# KiCad board st251_20629.kicad_pcb (continued)
## Routing (per net, layer and track width the routed paths; a pad name or vN(x,y) marks a point on that pad's centre or on a via; arc(x,y) is an arc through that point) (continued)
+5F: length 137.5
  Top w0.508: v1(93.85,176.4) v1(93.85,177.67) ; 11F1.16 106.3,193.55 108.52,191.33 C57.1 ; 104.9,171.83 106.17,171.83 v1(106.68,171.32) 106.68,171.2 105.92,170.43 105.92,170.31 105.16,170.31 104.73,170.74 C55.1 104.73,171.66 104.9,171.83
  Bottom w0.508: JP11.1 73.15,156.46 77.72,161.04 77.72,162.81 82.98,168.07 82.98,168.28 84.71,168.28 86.23,169.8 92.33,169.8 93.85,171.32 v1(93.85,176.4) v1(93.85,177.67)
  Bottom w0.762: 134.04,180.85 134.04,181.15 135.51,182.63
  Bottom w1.27: v1(101.35,196.34) 104.78,196.34 105.92,195.2 11F1.16 105.92,195.07 105.79,195.2 107.57,196.98 129.41,196.98 130.56,198.12 133.1,198.12 135.51,195.71 135.51,182.63 ; v1(101.09,193.17) 101.09,182.37 102.11,181.36 v1(102.23,181.36) 102.23,181.23 102.36,181.1 102.36,180.05 103.12,179.29 103.12,174.12 107.06,170.18 107.06,162.29 10F1.16
  vias: v1(101.09,192.02) v1(102.36,196.34)
/Analog/+RD: length 125.7
  Top w0.254: v1(6.48,10.16) 6.22,9.91 J2.17 ; 6A1.25 3.68,119.25 v1(3.43,119)
  Bottom w0.254: v1(3.43,119) 3.05,118.62 3.05,104.78 3.94,103.89 3.94,99.7 7.11,96.52 7.11,60.96 5.84,59.69 5.84,53.59 3.81,51.56 3.81,48.26 4.95,47.12 4.95,39.75 10.92,33.78 10.92,27.05 7.11,23.24 7.11,19.94 6.48,19.3 v1(6.48,10.16)
/Analog/-RD: length 124.9
  Top w0.254: v1(4.06,117.48) 4.57,117.98 6.86,117.98
  Bottom w0.254: J2.18 6.22,8.38 7.75,9.91 7.75,18.16 9.78,20.19 9.78,24.64 11.56,26.42 11.56,34.16 5.59,40.13 5.59,47.62 4.45,48.77 4.45,50.93 6.48,52.96 6.48,59.18 7.75,60.45 7.75,96.9 6.48,98.17 6.48,104.01 5.97,104.52 4.19,104.52 3.68,105.03 3.68,117.09 v1(4.06,117.48)
/Analog/CCOMP: length 40.4
  Top w0.254: v1(129.03,169.29) 129.03,168.34 10J1.14
  Bottom w0.254: v1(129.03,169.29) 129.03,169.04 127.89,167.89 127.89,159.39 127.51,159 127.51,154.81 129.16,153.16 129.16,146.94 129.67,146.43 129.67,142.24 131.06,140.84 131.06,136.4 128.46,133.8 R36.2
/Analog/COILU: length 106.5
  Top w0.254: 4H1.13 v1(111.25,86.11)
  Top w0.508: C39.1 110.93,86.42 v1(111.25,86.11) ; v1(108.71,37.85) 108.71,40.9 C46.1
  Bottom w0.254: 4H1.13 v1(111.25,86.11)
  Bottom w0.508: v1(111.25,86.11) 108.08,86.11 107.57,86.61 102.23,86.61 102.11,86.49 ; 5H1.3 96.27,98.18 96.27,96.65 102.11,90.81 102.11,86.49 ; J4.8 120.52,40.77 117.35,37.59 108.97,37.59 v1(108.71,37.85) 105.79,40.77 105.79,61.47 105.41,61.85 102.87,61.85 102.11,62.61 102.11,86.49
/Analog/COILV: length 104.2
  Top w0.254: 4H1.17 v1(111.25,81.03)
  Top w0.508: v1(111.38,51.44) 111.51,51.31 111.51,49.66 108.38,46.53 C48.1 ; C69.1 109.41,75.44 104.52,75.44 v1(104.27,75.18) ; v1(105.16,83.19) 105.16,89.54 v1(106.04,90.42)
  Bottom w0.254: 4H1.17 v1(111.25,81.03)
  Bottom w0.508: v1(104.27,75.18) 105.54,76.45 105.54,81.03 ; 105.54,81.03 105.54,82.8 v1(105.16,83.19) ; 105.54,81.03 v1(111.25,81.03) ; J4.7 120.52,44.2 113.28,51.44 v1(111.38,51.44) 111.25,51.56 111.25,65.79 112.52,67.06 116.2,67.06 117.22,68.07 117.22,79.14 4H1.17 ; 5H1.7 104.14,100.97 104.14,96.65 106.04,94.74 v1(106.04,90.42)
/Analog/COILW: length 146.4
  Top w0.254: 4H1.15 v1(111.25,83.57) ; 7F1.6 82.3,127.38 v1(81.15,126.24)
  Top w0.508: C59.1 108.78,63.25 v1(112.52,63.25) ; v1(103.63,84.71) 103.63,90.04 v1(103.76,90.17) ; C47.1 108.38,51.74 109.6,52.96 v1(112.52,52.96)
  Bottom w0.254: 96.27,101.35 99.19,101.35 ; 4H1.15 v1(111.25,83.57)
  Bottom w0.508: 99.19,101.35 99.57,100.97 99.57,95.76 103.76,91.57 v1(103.76,90.17) ; 5H1.1 96.27,103.26 96.27,101.35 94.74,101.35 92.71,99.31 90.93,99.31 87.76,102.49 81.66,102.49 80.39,103.76 80.39,108.84 81.15,109.6 81.15,115.82 80.9,116.08 80.9,125.98 v1(81.15,126.24) ; 4H1.15 118.75,80.16 118.75,67.82 116.97,66.04 113.16,66.04 112.52,65.41 v1(112.52,52.96) 113.41,52.96 122.94,43.43 J4.5 ; v1(103.63,84.71) 107.19,84.71 108.33,83.57 v1(111.25,83.57)
/Analog/DRV_SEL: length 60.2
  Top w0.254: v1(71.63,18.8) 70.61,17.78 1E1.8 ; v1(56.13,16) 56.13,15.88 57.66,14.35 68.2,14.35 68.96,13.59 70.87,13.59 71.5,12.95 v1(75.44,12.95) ; 2E1.13 v1(77.09,25.65)
  Bottom w0.254: v1(56.13,16) 54.86,14.73 54.86,13.46 54.61,13.21 49.66,13.21 J7.12 ; R13.1 69.22,14.1 71.63,16.51 71.63,17.02 ; 71.63,17.02 v1(71.63,18.8) ; 71.63,17.02 77.09,17.02 ; v1(75.44,12.95) 77.09,14.61 77.09,17.02 ; v1(77.09,25.65) 77.09,17.02
/Analog/DS1: length 46
  Top w0.254: J7.2 36.96,15.75 46.61,15.75 47.12,15.24 47.12,13.72 48.13,12.7 67.06,12.7 68.07,11.68 69.85,11.68 70.48,11.05 71.75,11.05 v1(72.9,9.91)
  Bottom w0.254: v1(72.9,9.91) J1.26
/Analog/DS2: length 39.1
  Top w0.254: J7.4 39.75,12.95 44.58,12.95 45.34,12.19 66.8,12.19 67.94,11.05 69.34,11.05 70.36,10.03 v1(70.36,9.91)
  Bottom w0.254: v1(70.36,9.91) J1.28
/Analog/DS3: length 37.4
  Top w0.254: v1(39.37,12.19) 39.62,12.45 44.07,12.45 44.83,11.68 66.04,11.68 v1(67.82,9.91)
  Bottom w0.254: v1(67.82,9.91) J1.30 ; v1(39.37,12.19) 40.77,13.59 J7.6
/Analog/DS4: length 30.5
  Top w0.254: v1(65.21,9.97) 64.01,11.18 43.69,11.18 v1(43.31,11.56)
  Bottom w0.254: J7.8 v1(43.31,11.56) ; J1.32 65.28,9.91 v1(65.21,9.97)
/Analog/HDC1: length 52
  Top w0.254: 10E1.9 64.64,155.58 66.55,157.48 66.55,159.64 67.82,160.91 67.82,166.62 69.34,168.15 69.34,171.7 70.58,172.94 v1(70.58,176.8)
  Bottom w0.254: J6.1 94.11,183.22 92.5,181.61 89.28,181.61 87,179.32 71.63,179.32 70.58,178.28 v1(70.58,176.8)
/Analog/HDC2: length 46.7
  Top w0.254: v1(69.6,175.26) 69.98,174.88 69.98,173.36 68.71,172.09 68.71,168.91 67.18,167.39 67.18,161.29 65.91,160.02 65.91,157.99 64.77,156.85 10E1.8
  Bottom w0.254: v1(69.6,175.26) 69.6,178.44 71.12,179.96 85.72,179.96 J6.5
/Analog/HDC3: length 40.5
  Top w0.254: 10E1.7 64.64,158.12 65.28,158.75 65.28,160.27 66.55,161.54 66.55,167.64 68.07,169.16 68.07,173.23 v1(68.58,173.74)
  Bottom w0.254: J6.9 81.41,180.72 70.87,180.72 68.58,178.44 v1(68.58,173.74)
/Analog/HDC4: length 34.5
  Top w0.254: v1(66.8,170.43) 66.8,169.29 65.91,168.4 65.91,161.8 64.78,160.66 64.78,160.06 64.1,159.39 10E1.6
  Bottom w0.254: J6.13 76.96,181.36 70.48,181.36 67.44,178.31 67.44,171.07 v1(66.8,170.43)
/Analog/HDC5: length 28.7
  Top w0.254: 10E1.5 63.86,160.66 65.28,162.08 65.28,171.2 v1(66.17,172.09)
  Bottom w0.254: v1(66.17,172.09) 66.68,172.59 66.68,178.82 69.85,181.99 72.52,181.99 J6.17
/Analog/HDC6: length 23.9
  Top w0.254: v1(65.53,173.61) 64.78,172.85 64.78,162.57 64.13,161.93 10E1.4
  Bottom w0.254: J6.21 66.04,180.59 66.04,174.12 v1(65.53,173.61)
/Analog/HDSEL1: length 185.4
  Top w0.254: v1(68.2,146.69) 67.82,147.07 67.82,154.43 69.09,155.7 69.09,158.88 72.14,161.93 10E1.17
  Bottom w0.254: J1.14 88.14,8.76 86.66,10.24 86.66,24.33 85.6,25.4 85.6,35.43 81.79,39.24 81.79,41.47 70.61,52.64 70.61,55.88 68.96,57.53 65.41,57.53 64.9,58.04 63.25,58.04 62.23,59.06 60.96,59.06 54.1,65.91 54.1,106.93 53.34,107.7 53.34,124.46 57.28,128.4 57.28,138.3 65.53,146.56 68.2,146.56 v1(68.2,146.69)
/Analog/HDSEL2: length 183.8
  Top w0.254: v1(68.71,150.37) 68.71,153.8 69.72,154.81 69.72,158.5 71.88,160.66 10E1.16
  Bottom w0.254: v1(68.71,150.37) 67.56,149.23 65.15,149.23 55.37,139.45 55.37,129.16 50.29,124.08 50.29,119.76 50.93,119.13 50.93,105.92 52.83,104.01 52.83,65.28 60.45,57.66 61.21,57.66 RN1.4 65.28,53.59 67.44,53.59 80.52,40.51 80.52,37.97 84.33,34.16 84.33,24 84.96,23.37 84.96,12.32 83.06,10.41 J1.18
/Analog/HDSEL4: length 190.4
  Top w0.254: 65.53,55.88 66.04,55.88 68.33,53.59 v1(75.69,53.59)
  Bottom w0.254: J1.4 100.84,8.76 101.22,9.14 101.22,21.21 98.68,23.75 98.68,26.92 96.77,28.83 96.77,41.02 89.53,48.26 89.53,49.02 85.34,53.21 76.07,53.21 v1(75.69,53.59) ; JP10.2 69.98,152.85 69.98,149.48 68.96,148.46 65.41,148.46 56.01,139.06 56.01,128.78 51.05,123.83 51.05,120.52 51.56,120.02 51.56,106.43 53.47,104.52 53.47,65.66 60.71,58.42 61.98,58.42 63.25,57.15 64.26,57.15 65.53,55.88
/Analog/HDSEL4B: length 19.2
  Top w0.254: 10E1.15 71.5,159.39 70.36,158.24 70.36,151 v1(70.99,150.37)
  Bottom w0.254: v1(70.99,150.37) 73.09,152.47 JP10.1 73.09,153.41 JP11.2
/Analog/HDSEL8: length 67.5
  Bottom w0.254: 75.69,55.88 75.69,55.25 77.09,53.85 85.72,53.85 90.3,49.28 90.3,48.77 97.41,41.66 97.41,29.21 99.31,27.31 99.31,24.26 101.85,21.72 101.85,10.41 103.38,8.89 J1.2
/Analog/MOT_EN: length 126.6
  Top w0.254: v1(75.06,117.22) 75.31,116.97 7E1.8 ; v1(82.93,160.53) 83.31,160.15 83.31,157.73 85.6,155.45 v1(86.87,155.45) ; v1(101.09,175.51) 105.66,175.51 11F1.9 ; v1(76.07,138.18) v1(76.07,134.87)
  Bottom w0.254: v1(76.07,134.87) 71.12,129.92 71.12,120.02 73.91,117.22 v1(75.06,117.22) ; 10H1.1 107.05,175.77 11F1.9 ; v1(76.07,138.18) 80.14,138.18 80.9,138.94 80.9,144.53 81.79,145.42 81.79,154.69 83.06,155.96 85.85,155.96 86.36,155.45 v1(86.87,155.45) ; v1(82.93,160.53) 82.94,160.52 10F1.9 87.51,161.3 87.88,161.67 94.23,161.67 97.41,164.85 100.08,164.85 101.98,166.75 103.91,166.75 10F1.1 101.09,172.34 v1(101.09,175.51) 102.11,176.53 102.11,178.94 99.82,181.23 99.82,192.02 11F1.1
/Analog/MOTA+: length 141.4
  Top w0.254: v1(103.89,189.74) 99.57,189.74 11F1.3 ; v1(118.87,148.08) 118.87,145.61 116.2,142.94 116.2,137.36 112.98,134.13 arc(110.29,132.33) 107.11,131.7 97.16,131.7 96.9,131.95 94.11,131.95 93.6,132.46 7F1.15 90.93,132.46 90.3,131.83 v1(90.3,130.94) ; 8F1.18 90.04,143.76 89.58,143.3 89.58,135.93 v1(89.03,135.38)
  Bottom w0.254: v1(118.87,148.08) 119.25,148.08 122.94,151.77 122.94,167.39 128.65,173.1 128.65,180.59 129.67,181.61 129.67,183.52 128.4,184.79 128.4,194.82 127.63,195.58 113.92,195.58 111.89,193.55 111,193.55 R67.1 109.6,191.77 107.57,189.74 v1(103.89,189.74) ; v1(90.3,130.94) 90.3,132.59 89.03,133.86 v1(89.03,135.38)
/Analog/MOTA-: length 151.5
  Top w0.254: CR8.1 97.25,152.88 95.31,150.94 ; v1(116.33,186.94) 117.22,186.06 119.25,186.06 126.36,178.94 128.4,178.94 J5.10 ; 8F1.23 94.49,150.11 95.31,150.94 ; v1(98.17,145.54) 96.01,147.7 96.01,150.24 95.31,150.94 ; 7F1.14 96.52,131.19 97.16,130.56 101.09,130.56 v1(101.22,130.68) 101.6,131.06 107.02,131.06 arc(110.34,131.73) 113.16,133.61 116.71,137.16 116.71,142.24 119.76,145.29 v1(119.76,146.94) ; 11F1.6 100.58,180.85 102.49,182.75 v1(103.63,182.75)
  Bottom w0.254: v1(116.33,186.94) 115.82,186.44 108.08,186.44 107.31,185.67 107.31,179.96 106.93,179.58 105.16,179.58 104.52,180.21 104.52,181.23 103.63,182.12 v1(103.63,182.75) ; J5.10 131.19,176.15 131.19,174.37 123.7,166.88 123.7,151.64 120.78,148.72 120.78,147.7 120.01,146.94 v1(119.76,146.94) ; v1(101.22,130.68) 101.98,131.44 101.98,133.99 98.81,137.16 98.81,141.22 97.92,142.11 97.92,145.29 v1(98.17,145.54)
/Analog/MOTB+: length 59.9
  Top w0.254: 8F1.17 98.17,142.49 105.28,151.77 v1(105.28,152.27)
  Bottom w0.254: 111.38,173.23 111.38,172.21 112.52,171.07 112.52,158.37 111.12,156.97 107.44,156.97 105.03,154.56 105.03,152.91 105.28,152.65 v1(105.28,152.27) ; 111.38,173.23 111.37,173.24 10H1.3 ; 111.38,173.23 111.38,176.28 116.08,180.98 R81.1
/Analog/MOTB-: length 113.2
  Top w0.254: v1(119,164.85) 118.49,164.34 116.59,164.34 115.31,165.62 10H1.6 ; 8F1.22 90.04,148.84 89.53,149.35 89.53,156.85 89.15,157.23 86.11,157.23 84.96,158.37 84.96,162.81 86.23,164.08 86.23,168.53 92.46,174.75 95.38,174.75 96.39,175.77 v1(96.39,177.55) ; v1(107.95,179.07) 107.44,179.58 102.11,179.58 v1(101.09,178.56)
  Bottom w0.254: v1(101.09,178.56) 100.08,179.58 97.66,179.58 96.39,178.31 v1(96.39,177.55) ; v1(119,164.85) 118.49,165.35 118.49,176.15 J5.2 119.76,178.56 121.67,180.47 121.67,188.85 120.78,189.74 118.11,189.74 117.6,189.23 117.6,186.56 116.84,185.8 108.71,185.8 107.95,185.04 v1(107.95,179.07) 107.82,178.94
/Analog/MOTC+: length 82.7
  Top w0.254: v1(107.82,152.65) 106.81,152.65 98.55,141.99 93.98,141.99 93.22,141.22 8F1.16 ; v1(114.43,161.67) 115.7,162.94 v1(115.7,164.08) 115.44,164.34 96.41,164.34 10F1.11
  Bottom w0.254: v1(107.82,152.65) 114.43,159.26 v1(114.43,161.67) ; v1(115.7,164.08) 115.95,164.34 115.95,176.53 116.46,177.04 117.98,177.04 118.49,177.55 118.49,178.82 119,179.32 119,181.36 119.51,181.86 R67B1.1 119.76,181.61
/Analog/MOTC-: length 65.2
  Top w0.254: v1(119.25,161.8) 116.2,161.8 115.06,160.66 112.39,160.66 111.12,161.93 101.62,161.93 10F1.14 ; 8F1.21 92.33,147.57 94.74,145.16 96.9,145.16 97.66,144.4 98.81,144.4 102.62,149.48 102.62,154.56 v1(101.35,155.83)
  Bottom w0.254: 10F1.14 100.2,160.51 100.2,156.97 v1(101.35,155.83) ; 119.25,161.67 v1(119.25,161.8) 120.14,162.69 120.14,172.97 121.03,173.86 121.03,175.77 122.3,177.04 J5.4
/Analog/MOTD+: length 129.1
  Top w0.254: v1(112.65,175.77) 112.65,178.44 111.25,179.83 109.35,179.83 108.33,180.85 11F1.11 ; 7F1.3 88.01,131.19 91.69,134.87 94.11,134.87 94.87,134.11 100.33,134.11 v1(101.09,133.35) 101.47,132.97 107.85,132.97 arc(109.94,133.38) 111.71,134.57 114.94,137.8 114.94,144.4 116.84,146.3 116.84,154.43 v1(118.24,155.83) ; v1(97.16,141.1) 94.23,141.1 93.09,139.95 8F1.15
  Bottom w0.254: v1(101.09,133.35) 100.71,133.73 100.71,134.49 98.3,136.91 98.3,140.59 97.79,141.1 v1(97.16,141.1) ; 118.49,191.01 119,191.51 R68.1 119,191.77 116.33,189.1 109.6,189.1 107.7,187.2 105.16,187.2 104.65,186.69 104.65,182.12 11F1.11 ; v1(118.24,155.83) 115.82,158.24 115.82,161.93 113.54,164.21 113.54,174.88 v1(112.65,175.77)
/Analog/MOTD-: length 123.3
  Top w0.254: v1(113.79,190.12) 115.44,188.47 115.44,186.06 116.33,185.17 118.87,185.17 124.84,179.2 J5.6 ; 7F1.2 v1(87.76,132.46) 88.52,132.46 91.57,135.51 95.12,135.51 95.63,135 100.97,135 102.36,133.6 107.75,133.6 arc(109.69,133.99) 111.34,135.09 114.3,138.05 114.3,145.03 115.82,146.56 v1(115.82,149.1) ; 88.01,136.27 v1(87.76,136.27) 88.26,136.27 89.12,137.13 89.12,143.98 89.53,144.4 89.53,145.34 90.5,146.3 8F1.20
  Bottom w0.254: 11F1.14 107.95,188.47 109.22,189.74 113.41,189.74 v1(113.79,190.12) ; J5.6 124.84,176.91 123.57,175.64 123.57,172.59 121.16,170.18 121.16,152.27 119.51,150.62 117.35,150.62 v1(115.82,149.1) ; v1(87.76,136.27) v1(87.76,132.46)
/Analog/MOTE+: length 128.2
  Top w0.254: 10F1.3 101.6,166.75 106.43,166.75 109.09,169.42 114.68,169.42 v1(114.81,169.29) 119.38,169.29 121.41,171.32 v1(121.41,171.96) ; 7F1.1 88.77,133.73 91.19,136.14 97.54,136.14 v1(97.79,135.89) 100.84,135.89 102.49,134.24 107.5,134.24 arc(109.44,134.63) 111.09,135.73 113.66,138.3 113.66,145.67 114.68,146.69 v1(114.68,149.86) ; v1(97.41,139.83) 94.11,139.83 92.96,138.68 8F1.14
  Bottom w0.254: v1(114.68,149.86) 116.08,151.26 119.38,151.26 120.65,152.53 120.65,170.56 121.41,171.32 v1(121.41,171.96) ; v1(97.41,139.83) 97.41,136.27 v1(97.79,135.89) 97.92,135.76 ; 119.63,187.07 119.63,186.56 117.86,184.79 117.86,180.98 114.81,177.93 v1(114.81,169.29)
/Analog/MOTE-: length 123.2
  Top w0.254: 8F1.19 93.47,145.03 94.62,143.89 v1(96.01,143.89) ; 7F1.16 93.73,133.73 94.36,133.1 v1(98.55,133.1) 99.31,132.33 107.48,132.33 arc(110.14,132.86) 112.4,134.37 115.7,137.67 115.7,143.38 117.98,145.67 117.98,149.48 v1(117.73,149.73) ; v1(122.43,169.8) 121.92,169.8 119,166.88 109.09,166.88 107.19,164.97 95.76,164.97 10F1.6
  Bottom w0.254: v1(98.55,133.1) 98.42,133.22 97.79,133.22 95.63,135.38 95.63,143.51 v1(96.01,143.89) ; J5.8 127.38,176.91 126.11,175.64 126.11,173.74 125.6,173.23 124.97,173.23 122.43,170.69 v1(122.43,169.8) 121.79,169.16 121.79,152.15 119.38,149.73 v1(117.73,149.73)
/Analog/REC_MODE: length 146.3
  Top w0.254: v1(25.91,10.92) 24.51,12.32 22.35,12.32 18.92,8.89 J2.7 ; J7.14 51.56,14.48 52.93,15.84 54.64,15.84 v1(56.13,14.35) 56.64,13.84 67.82,13.84 68.71,12.95 70.36,12.95 70.99,12.32 72.9,12.32 73.41,11.81 77.34,11.81 78.74,10.41 85.22,10.41 v1(85.6,10.8)
  Bottom w0.254: J1.16 v1(85.6,10.8) 85.6,24 84.96,24.64 84.96,34.8 81.15,38.61 81.15,40.89 68.07,53.98 RN1.6 ; v1(25.91,10.92) 26.16,11.18 26.54,11.18 26.75,11.38 40.46,11.38 41.95,12.86 41.95,15.4 42.2,15.65 43.91,15.65 44.49,15.08 44.49,13.5 44.45,13.46 45.59,12.32 55.24,12.32 56.13,13.21 v1(56.13,14.35)
/Analog/UHALL+: length 78.5
  Top w0.254: 4H1.21 112.14,75.95 111.38,76.71 98.17,76.71 97.79,76.33 v1(96.27,76.33)
  Bottom w0.254: 4H1.21 112.27,75.95 111.38,75.06 111.38,73.53 111.76,73.15 111.76,71.44 C35.1 111.69,70.93 108.71,67.95 108.71,48.77 111.76,45.72 115.19,45.72 116.71,44.2 116.71,42.55 117.19,42.07 126.78,42.07 J4.1 ; R38.1 94.05,74.11 v1(96.27,76.33)
/Analog/UHALL-: length 57.8
  Top w0.254: v1(96.27,77.98) 97.03,77.22 4H1.20
  Bottom w0.254: R39.1 95.88,77.6 v1(96.27,77.98) ; J4.13 111.76,43.43 108.08,47.12 108.08,69.47 109.79,71.19 109.79,74.21 4H1.20
/Analog/VHALL+: length 50.2
  Bottom w0.254: 4H1.19 112.14,78.49 108.01,74.36 C36.1 108.01,72.45 107.44,71.88 107.44,46.1 111.47,42.07 116.17,42.07 117.35,40.89 J4.10
/Analog/VHALL-: length 49.6
  Bottom w0.254: 4H1.18 112.52,79.76 106.11,73.34 C36.2 106.11,72.58 106.81,71.88 106.81,44.83 112.14,39.5 114.05,39.5 J4.12
/Analog/WHALL+: length 212.3
  Top w0.254: v1(84.2,152.91) 80.52,152.91 78.87,151.26 78.87,144.15 77.85,143.13 77.85,140.46 79.38,138.94 79.38,133.22 79.76,132.84 79.76,125.59 81.53,123.81 81.53,117.86 81.41,117.73 81.41,116.08 80.39,115.06 80.39,113.79 78.87,112.27 78.87,108.08 83.44,103.51 83.44,100.46 84.58,99.31 84.58,92.96 v1(86.23,91.31) ; 4H1.23 112.8,70.87 103.76,70.87 100.2,74.42 95.38,74.42 93.22,72.26 93.22,70.61 92.96,70.36 v1(92.84,70.36) ; 10J1.4 122.94,164.47 121.54,163.07 121.54,162.31 121.03,161.8 121.03,160.66 120.65,160.27 119.89,160.27 118.24,158.62 116.97,158.62 114.43,156.08 114.43,154.05 111.25,150.88 v1(111,150.88)
  Bottom w0.254: v1(86.23,91.31) 87,90.55 87,76.45 89.03,74.42 89.03,71.76 90.42,70.36 v1(92.84,70.36) ; J4.9 117.98,45.21 114.3,48.9 111.51,48.9 109.98,50.42 109.98,66.29 111.76,68.07 114.3,68.07 115.38,69.15 C37.1 115.34,69.38 4H1.23 ; v1(111,150.88) 110.74,150.62 86.49,150.62 v1(84.2,152.91)
/Analog/WHALL-: length 195.8
  Top w0.254: 10J1.5 122.81,163.19 122.17,162.56 122.17,162.05 121.67,161.54 121.67,160.53 120.78,159.64 120.14,159.64 118.49,157.99 117.47,157.99 115.19,155.7 115.19,153.42 111.63,149.86 v1(111.63,149.61) ; 4H1.22 112.8,72.66 111.76,71.63 103.89,71.63 100.33,75.18 95.25,75.18 v1(91.69,71.63) ; v1(86.23,93.22) 85.08,94.37 85.08,97.65 85.34,97.92 85.34,104.27 83.69,105.92 v1(83.69,106.55) ; v1(113.16,47.75) 115.44,45.47 J4.11
  Bottom w0.254: 4H1.22 113.28,74.19 113.28,69.54 C37.2 111.51,69.34 109.35,67.18 109.35,49.4 111,47.75 v1(113.16,47.75) ; v1(91.69,71.63) 90.42,71.63 89.66,72.39 89.66,74.93 87.76,76.84 87.76,91.69 v1(86.23,93.22) ; v1(111.63,149.61) 111.25,149.99 87,149.99 85.83,148.82 85.83,144.53 85.72,144.42 85.72,142.11 84.33,140.72 84.33,131.83 83.06,130.56 83.06,126.62 85.22,124.46 85.22,123.57 84.96,123.32 84.96,117.35 85.09,117.22 85.09,116.08 84.96,115.95 84.96,108.97 83.69,107.7 v1(83.69,106.55)
/Analog/WRT_FAULT: length 11.9
  Top w0.254: 2E1.6 JP1.1 73.41,35.31 73.91,35.81 77.72,35.81 78.36,35.18 2E1.1
/Analog/~{HALL}: length 194.8
  Top w0.254: v1(125.22,154.18) 124.97,154.43 9J1.5 ; v1(118.87,63.75) 120.4,65.28 v1(124.97,65.28) ; v1(96.01,72.01) 96.65,72.01 98.3,73.66 100.2,73.66 103.38,70.49 103.38,66.68 104.27,65.79 113.16,65.79 113.79,65.15 v1(113.79,64.9) ; v1(91.19,44.07) 95,44.07 96.9,45.97 96.9,51.31 v1(97.41,51.82) ; 2F1.5 94.74,33.66 v1(93.73,34.67) ; v1(132.97,117.73) 132.97,118.11 129.79,121.29 129.79,125.86 129.16,126.49 126.49,126.49 123.44,129.54 v1(123.44,130.3)
  Bottom w0.254: v1(93.73,34.67) 93.47,34.93 93.47,40.13 91.19,42.42 v1(91.19,44.07) ; v1(132.97,117.73) 135.51,115.19 135.51,109.47 128.02,101.98 124.08,101.98 123.19,101.09 123.19,69.34 124.97,67.56 v1(124.97,65.28) ; v1(118.87,63.75) 117.73,64.9 v1(113.79,64.9) ; v1(125.22,154.18) 125.22,153.67 124.97,153.42 124.97,152.02 121.41,148.46 121.41,146.81 120.27,145.67 119.13,145.67 118.36,144.91 118.36,141.49 118.38,141.48 118.38,140.86 118.36,140.84 118.36,135.76 123.44,130.68 v1(123.44,130.3) ; v1(96.01,72.01) 96.01,56.59 98.04,54.56 98.04,52.45 v1(97.41,51.82)
/Analog/~{WRT_GATE}: length 194.9
  Top w0.254: RN1.8 74.42,54.61 76.33,54.61 76.96,53.98 76.96,53.09 76.2,52.32 67.94,52.32 66.93,53.34 58.67,53.34 58.04,53.98 46.99,53.98 42.67,58.29 v1(42.67,59.18) ; v1(18.92,112.14) 18.67,112.4 6A1.37 ; v1(28.19,88.65) 32.89,93.34 v1(42.67,93.34)
  Bottom w0.254: v1(42.67,93.34) v1(42.67,59.18) ; J1.6 98.3,9.27 98.42,9.4 98.42,14.1 100.46,16.13 100.46,20.19 97.92,22.73 97.92,26.8 96.01,28.7 96.01,40.89 89.03,47.88 89.03,48.64 84.96,52.71 74.68,52.71 73.15,54.23 RN1.8 ; v1(18.92,112.14) 19.18,111.89 19.18,109.35 19.56,108.97 19.56,106.3 20.07,105.79 20.07,102.62 20.7,101.98 22.35,101.98 22.48,101.85 22.99,101.85 23.3,101.54 C4.1 25.53,100.71 27.05,99.19 27.05,89.79 v1(28.19,88.65)
/Digital/0101: length 178.3
  Top w0.254: 1D1.6 59.94,23.11 59.44,23.62 v1(57.79,23.62) ; v1(61.09,42.16) 64.26,42.16 69.09,46.99 88.01,46.99 88.77,47.75 v1(92.96,47.75) ; v1(64.77,126.75) 60.58,126.75 59.62,125.79 55.56,125.79 55.24,125.48 55.24,124.46
  Bottom w0.254: v1(64.77,126.75) 64.77,108.2 61.72,105.16 61.72,93.6 64.13,91.19 74.42,91.19 81.28,84.33 81.28,76.45 82.68,75.06 82.68,63.25 76.96,57.53 76.96,54.86 77.34,54.48 86.36,54.48 92.96,47.88 v1(92.96,47.75) ; v1(57.79,23.62) 58.17,24 58.17,26.67 58.8,27.31 58.8,29.59 58.42,29.97 58.42,36.75 58.56,36.89 58.56,38.11 61.09,40.64 v1(61.09,42.16)
/Digital/A0: length 114.9
  Top w0.254: v1(25.65,62.48) 24.26,62.48 21.08,65.66 9.52,65.66 8.89,66.29 8.89,76.2 4A1.8 ; v1(64.9,47.24) 64.9,45.85 63.75,44.7 62.23,44.7 58.67,48.26 46.99,48.26 46.74,48.51 41.02,48.51 38.1,51.44 38.1,54.74 33.4,59.44 29.59,59.44 28.96,58.8 28.96,56.9 27.94,55.88 27.05,55.88 27.05,55.88 24.45,55.88 23.43,54.86 v1(21.72,54.86) ; v1(66.93,30.99) 66.17,31.75 2D1.1
  Bottom w0.254: v1(21.72,54.86) 21.72,58.67 25.53,62.48 v1(25.65,62.48) ; v1(64.9,47.24) 65.53,46.61 65.53,33.78 66.93,32.39 v1(66.93,30.99)
/Digital/A1: length 107.5
  Top w0.254: v1(64.9,30.48) 2D1.2 ; v1(63.12,45.97) 61.85,45.97 58.93,48.9 47.24,48.9 46.99,49.15 41.27,49.15 38.73,51.69 38.73,55.12 33.91,59.94 29.34,59.94 27.67,58.28 v1(27.67,57.4) 27.42,57.15 3A1.6 ; 4A1.7 8.25,78.11 8.25,66.04 9.27,65.02 20.7,65.02 25.27,60.45 v1(25.27,59.94)
  Bottom w0.254: v1(27.67,57.4) 27.67,57.54 v1(25.27,59.94) ; v1(64.9,30.48) 64.9,32 64.01,32.89 62.1,32.89 61.47,33.53 61.47,35.56 64.26,38.35 64.26,44.83 v1(63.12,45.97)
/Digital/A2: length 107.4
  Top w0.254: v1(61.72,47.5) 59.69,49.53 47.5,49.53 47.24,49.78 41.66,49.78 39.37,52.07 39.37,55.5 34.29,60.58 28.32,60.58 26.54,58.8 3A1.7 23.75,60.96 20.32,64.39 8.51,64.39 7.62,65.28 7.62,80.01 4A1.6 ; 2D1.3 63.63,31.24 v1(63.12,30.73)
  Bottom w0.254: v1(63.12,30.73) 63.12,31.5 62.48,32.13 61.34,32.13 60.83,32.64 60.83,35.81 63.63,38.61 63.63,43.82 61.72,45.72 v1(61.72,47.5)
/Digital/A3: length 41.4
  Top w0.254: 3A1.8 22.48,61.15 19.75,63.88 8,63.88 6.86,65.02 6.86,81.79 4A1.5
/Digital/A4: length 48.4
  Top w0.254: 6B1.19 45.28,102.81 45.09,102.62 42.8,102.62 41.66,101.47 39.88,101.47 37.34,98.93 26.29,98.93 24.13,96.77 24.13,87.88 v1(22.99,86.74)
  Bottom w0.254: 4A1.4 12.83,87.88 13.97,86.74 v1(22.99,86.74)
/Digital/A5: length 40.8
  Top w0.254: 6B1.15 40.2,102.81 40.01,102.62 38.99,102.62 36.7,100.33 25.4,100.33 22.73,97.66 22.73,92.58 20.45,90.3 v1(20.45,89.79)
  Bottom w0.254: 4A1.3 11.43,91.44 13.84,91.44 15.49,89.79 v1(20.45,89.79)
/Digital/A6: length 42.5
  Top w0.254: 6B1.16 41.47,102.56 40.89,101.98 39.5,101.98 37.21,99.7 25.65,99.7 23.49,97.54 23.49,91.57 v1(22.35,90.42)
  Bottom w0.254: v1(22.35,90.42) 21.84,90.93 19.81,90.93 19.3,90.42 15.75,90.42 14.1,92.08 11.3,92.08 4A1.2
/Digital/A7: length 34.9
  Top w0.254: v1(21.72,93.34) 21.72,98.04 24.64,100.97 34.8,100.97 36.39,102.56 6B1.12
  Bottom w0.254: 4A1.1 14.99,95.5 17.14,93.34 v1(21.72,93.34)
/Digital/A8: length 58.6
  Top w0.254: 6B1.2 45.28,112.41 44.89,112.01 42.42,112.01 41.15,110.74 37.59,110.74 36.96,110.11 35.81,110.11 31.88,106.17 27.43,106.17 24.64,103.38 15.11,103.38 14.35,102.62 14.35,93.1 v1(14.49,92.96)
  Bottom w0.254: v1(14.49,92.96) 14.49,92.44 15.75,91.19 19.05,91.19 19.69,91.82 24.51,91.82 25.65,92.96
/Digital/A9: length 56.5
  Top w0.254: 36.39,113.41 36.39,112.41 36,112.01 34.62,112.01 30.69,108.08 26.29,108.08 23.62,105.41 13.59,105.41 12.32,104.14 12.32,90.93 v1(12.83,90.42)
  Bottom w0.254: v1(12.83,90.42) 13.59,90.42 15.11,88.9 24.13,88.9 25.65,90.42
/Digital/A10: length 63.3
  Top w0.254: v1(14.48,85.47) 14.48,86.36 13.59,87.25 13.59,88.9 14.22,89.54 14.22,90.68 12.95,91.95 12.95,103.38 14.22,104.65 24,104.65 26.8,107.44 30.86,107.44 34.8,111.38 36.32,111.38 36.83,111.89 39.68,111.89 40.2,112.41 6B1.6
  Bottom w0.254: 25.65,82.8 22.99,85.47 v1(14.48,85.47)
/Digital/A11: length 59.8
  Top w0.254: 6B1.5 41.47,111.96 40.89,111.38 37.34,111.38 36.7,110.74 35.18,110.74 31.24,106.81 27.18,106.81 24.38,104.01 14.73,104.01 13.72,103 13.72,92.33 14.86,91.19 14.86,88.27 v1(14.48,87.88)
  Bottom w0.254: 25.65,87.88 v1(14.48,87.88)
/Digital/D0: length 117.8
  Top w0.254: v1(11.43,55.37) 10.67,54.61 3A1.20 ; 4A1.9 15.49,70.1 20.07,70.1 24.13,66.04 27.56,66.04 28.32,66.8 v1(35.8,66.8) ; 6C1.18 59.05,108.9 55.82,105.66 44.07,105.66 v1(43.94,105.79) 44.01,105.72 6B1.18 44.01,104.72 44.2,104.9
  Bottom w0.254: v1(35.8,66.8) 35.56,67.04 35.56,74.17 37.21,75.82 37.21,99.06 v1(43.94,105.79) ; 4A1.9 13.08,72.52 13.08,65.53 9.65,62.1 9.65,57.15 v1(11.43,55.37)
/Digital/D1: length 110.6
  Top w0.254: v1(7.62,56.13) 7.87,56.13 8.13,55.88 9.4,55.88 ; v1(33.66,65.93) 28.84,65.93 27.94,65.02 23.88,65.02 19.43,69.47 13.59,69.47 4A1.10 ; 6B1.14 38.93,105.48 v1(39.12,105.66) 39.21,105.66 41.11,107.57 52.07,107.57 52.71,108.2 v1(54.61,108.2) 53.98,108.84 6C1.14
  Bottom w0.254: v1(39.12,105.66) 39.12,103.51 35.94,100.33 35.94,77.09 34.16,75.31 34.16,66.43 v1(33.66,65.93) ; 4A1.10 12.45,70.61 12.45,65.79 8.89,62.23 8.89,57.53 7.37,56.01